# Altium PCB Main_PCB.PcbDoc (part 5 of 13)
Units mil, origin at the board's own origin, x right, y up, seen from the top; angles counter-clockwise.
Board outline 5200 x 6000 mil, 12 copper layers (Top (L1), Int1 (l2), Int2 (L3), Int3 (L4), Int4 (L5), Int5 (L6), Int6 (L7), Int7 (L8), Int8 (L9), Int9 (L10), Int10 (L11), Bot (L12)), stack 94.81 mil thick; 88 components, 424 nets, 1789 pads, 1684 vias.
Unrouted connection lines stored in the file: 914.
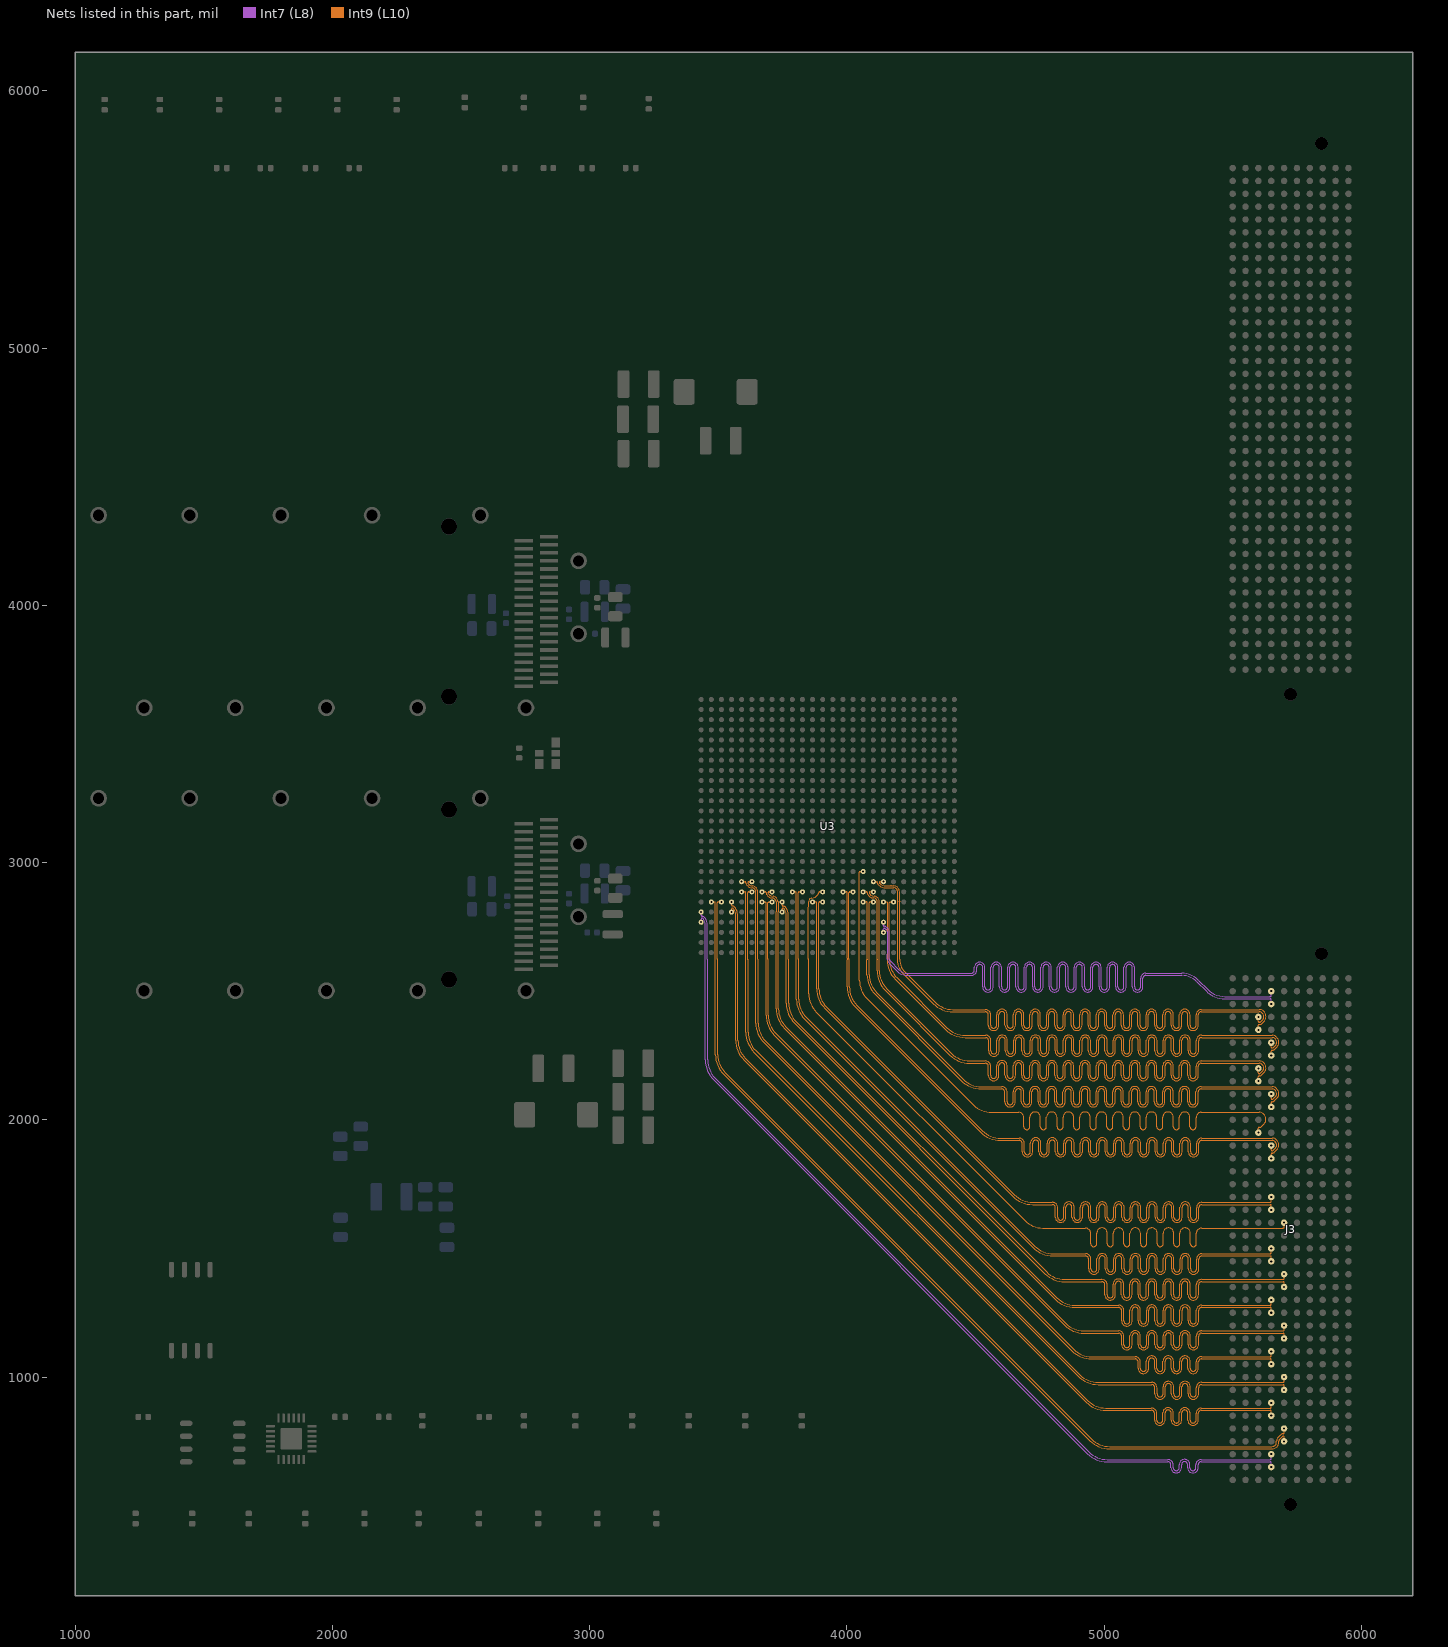
[diagram p15: the nets of this part, all layers, seen from the top]

## Via types
v1: diameter 13.78, hole 7.87, Top (L1) to Bot (L12), tented both sides, 1680 vias
v2: diameter 19.68, hole 7.87, Top (L1) to Bot (L12), tented both sides, 4 vias

## Nets (pads, with @x,y where several pads share a name; then routed paths per layer and width w, separated by ;. In a path a pad name is that pad's centre, name@x,y a point inside that pad or via, vN(x,y) a via of type N, cw(c..) or ccw(c..) an arc to the next point about the centre after c; other vN are vias at no path point) (continued)
HPCC_A_39_P: J3.F20 U3.Y13 | length 3514.4
  Int9 (L10) w3.5: 3878.92,2866.72 cw(c3873.63,2872.04) 3875.22,2864.71 3863.6,2862.18 ccw(c3866.93,2846.85) 3851.24,2847.05 3850.74,2807.19 cw(c3827.56,2807.48) 3850.72,2806.47 3850.5,2801.03 ccw(c3854,2800.88) 3850.5,2800.88 3850.5,2771.7 ccw(c3854,2771.73) 3850.53,2771.27 cw(c3827.56,2768.11) 3850.75,2768.11 3850.75,2650 cw(c3827.56,2650) 3850.74,2649.39 3850.5,2640.05 ccw(c3854,2639.96) 3850.5,2639.96 3850.5,2625 cw(c3847.36,2621.86) 3851.8,2621.86 3851.8,2489.62 ccw(c3951.8,2489.62) 3881.09,2418.91 4691.31,1608.69 ccw(c4762.02,1679.4) 4762.02,1579.4 4889,1579.4 4927.45,1579.4 cw(c4927.45,1558.85) 4948,1558.85 4948,1518.82 ccw(c4959.75,1518.82) 4971.5,1518.82 4971.5,1559.07 cw(c4992.05,1559.07) 5012.6,1559.07 5012.6,1518.82 ccw(c5024.35,1518.82) 5036.1,1518.82 5036.1,1559.07 cw(c5056.65,1559.07) 5077.2,1559.07 5077.2,1518.82 ccw(c5088.95,1518.82) 5100.7,1518.82 5100.7,1559.07 cw(c5121.25,1559.07) 5141.8,1559.07 5141.8,1518.82 ccw(c5153.55,1518.82) 5165.3,1518.82 5165.3,1559.07 cw(c5185.85,1559.07) 5206.4,1559.07 5206.4,1518.82 ccw(c5218.15,1518.82) 5229.9,1518.82 5229.9,1559.07 cw(c5250.45,1559.07) 5271,1559.07 5271,1518.82 ccw(c5282.75,1518.82) 5294.5,1518.82 5294.5,1559.07 cw(c5315.05,1559.07) 5335.6,1559.07 5335.6,1518.82 ccw(c5347.35,1518.82) 5359.1,1518.82 5359.1,1558.85 cw(c5379.65,1558.85) 5379.65,1579.4 5419,1579.4 5696.5,1579.4 ccw(c5696.5,1582.9) 5698.97,1580.43 ccw(c5696.5,1582.9) 5700,1582.9 v1(5700,1600) ; 3878.94,2866.74 3887.14,2874.94 ccw(c3879.46,2882.68) 3890.36,2882.68 cw(c3893.86,2882.72) 3891.39,2885.2 cw(c3893.86,2882.72) 3893.86,2886.22 v1(3906.3,2886.22)
HPCC_A_40_N: J3.F25 U3.AB9 | length 3520.4
  Int9 (L10) w3.5: v1(3748.82,2807.48) 3748.82,2819.92 cw(c3752.32,2819.92) 3749.84,2822.39 cw(c3752.32,2819.92) 3752.32,2823.42 cw(c3752.32,2819.92) 3754.79,2822.39 cw(c3730.15,2797.75) 3765,2797.75 3765,2452.62 ccw(c3873.8,2452.62) 3796.87,2375.69 4770.09,1402.47 ccw(c4847.02,1479.4) 4847.02,1370.6 4953,1370.6 4991.45,1370.6 cw(c4991.45,1358.85) 5003.2,1358.85 5003.2,1319.61 ccw(c5023.75,1319.61) 5044.3,1319.61 5044.3,1360.43 cw(c5056.05,1360.43) 5067.8,1360.43 5067.8,1319.61 ccw(c5088.35,1319.61) 5108.9,1319.61 5108.9,1360.43 cw(c5120.65,1360.43) 5132.4,1360.43 5132.4,1319.61 ccw(c5152.95,1319.61) 5173.5,1319.61 5173.5,1360.43 cw(c5185.25,1360.43) 5197,1360.43 5197,1319.61 ccw(c5217.55,1319.61) 5238.1,1319.61 5238.1,1360.43 cw(c5249.85,1360.43) 5261.6,1360.43 5261.6,1319.61 ccw(c5282.15,1319.61) 5302.7,1319.61 5302.7,1360.43 cw(c5314.45,1360.43) 5326.2,1360.43 5326.2,1319.61 ccw(c5346.75,1319.61) 5367.3,1319.61 5367.3,1358.85 cw(c5379.05,1358.85) 5379.05,1370.6 5402,1370.6 5696.5,1370.6 cw(c5696.5,1367.1) 5698.97,1369.57 cw(c5696.5,1367.1) 5700,1367.1 v1(5700,1350)
HPCC_A_40_P: J3.F24 U3.AA9 | length 3518.7
  Int9 (L10) w3.5: v1(3748.82,2846.85) 3748.82,2834.42 ccw(c3752.32,2834.42) 3749.84,2831.94 ccw(c3752.32,2834.42) 3752.32,2830.92 3752.37,2830.92 cw(c3752.37,2820.04) 3760.06,2827.73 3760.17,2827.62 cw(c3730.41,2797.86) 3772.5,2797.86 3772.5,2625 cw(c3769.36,2621.86) 3773.8,2621.86 3773.8,2452.62 ccw(c3873.8,2452.62) 3803.09,2381.91 4776.31,1408.69 ccw(c4847.02,1479.4) 4847.02,1379.4 4953,1379.4 4991.45,1379.4 cw(c4991.45,1358.85) 5012,1358.85 5012,1319.61 ccw(c5023.75,1319.61) 5035.5,1319.61 5035.5,1360.43 cw(c5056.05,1360.43) 5076.6,1360.43 5076.6,1319.61 ccw(c5088.35,1319.61) 5100.1,1319.61 5100.1,1360.43 cw(c5120.65,1360.43) 5141.2,1360.43 5141.2,1319.61 ccw(c5152.95,1319.61) 5164.7,1319.61 5164.7,1360.43 cw(c5185.25,1360.43) 5205.8,1360.43 5205.8,1319.61 ccw(c5217.55,1319.61) 5229.3,1319.61 5229.3,1360.43 cw(c5249.85,1360.43) 5270.4,1360.43 5270.4,1319.61 ccw(c5282.15,1319.61) 5293.9,1319.61 5293.9,1360.43 cw(c5314.45,1360.43) 5335,1360.43 5335,1319.61 ccw(c5346.75,1319.61) 5358.5,1319.61 5358.5,1358.85 cw(c5379.05,1358.85) 5379.05,1379.4 5402,1379.4 5696.5,1379.4 ccw(c5696.5,1382.9) 5698.97,1380.43 ccw(c5696.5,1382.9) 5700,1382.9 v1(5700,1400)
HPCC_A_41_N: J3.F29 U3.AA7 | length 3530.4
  Int9 (L10) w3.5: v1(3670.08,2846.85) 3682.51,2846.85 cw(c3682.51,2843.35) 3684.99,2845.83 cw(c3682.51,2843.35) 3686.01,2843.35 3686.01,2406.61 ccw(c3794.81,2406.61) 3717.88,2329.67 4845.09,1202.47 ccw(c4922.02,1279.4) 4922.02,1170.6 5018,1170.6 5056.45,1170.6 cw(c5056.45,1158.85) 5068.2,1158.85 5068.2,1126.54 ccw(c5088.75,1126.54) 5109.3,1126.54 5109.3,1159.63 cw(c5121.05,1159.63) 5132.8,1159.63 5132.8,1126.54 ccw(c5153.35,1126.54) 5173.9,1126.54 5173.9,1159.63 cw(c5185.65,1159.63) 5197.4,1159.63 5197.4,1126.54 ccw(c5217.95,1126.54) 5238.5,1126.54 5238.5,1159.63 cw(c5250.25,1159.63) 5262,1159.63 5262,1126.54 ccw(c5282.55,1126.54) 5303.1,1126.54 5303.1,1159.63 cw(c5314.85,1159.63) 5326.6,1159.63 5326.6,1126.54 ccw(c5347.15,1126.54) 5367.7,1126.54 5367.7,1158.85 cw(c5379.45,1158.85) 5379.45,1170.6 5402,1170.6 5696.5,1170.6 cw(c5696.5,1167.1) 5698.97,1169.57 cw(c5696.5,1167.1) 5700,1167.1 v1(5700,1150)
HPCC_A_41_P: J3.F28 U3.AA8 | length 3517
  Int9 (L10) w3.5: v1(3709.45,2846.85) 3697.01,2846.85 ccw(c3697.01,2843.35) 3694.54,2845.83 ccw(c3697.01,2843.35) 3693.51,2843.35 3693.51,2625 cw(c3690.38,2621.86) 3694.81,2621.86 3694.81,2406.61 ccw(c3794.81,2406.61) 3724.1,2335.9 4851.31,1208.69 ccw(c4922.02,1279.4) 4922.02,1179.4 5018,1179.4 5056.45,1179.4 cw(c5056.45,1158.85) 5077,1158.85 5077,1126.54 ccw(c5088.75,1126.54) 5100.5,1126.54 5100.5,1159.63 cw(c5121.05,1159.63) 5141.6,1159.63 5141.6,1126.54 ccw(c5153.35,1126.54) 5165.1,1126.54 5165.1,1159.63 cw(c5185.65,1159.63) 5206.2,1159.63 5206.2,1126.54 ccw(c5217.95,1126.54) 5229.7,1126.54 5229.7,1159.63 cw(c5250.25,1159.63) 5270.8,1159.63 5270.8,1126.54 ccw(c5282.55,1126.54) 5294.3,1126.54 5294.3,1159.63 cw(c5314.85,1159.63) 5335.4,1159.63 5335.4,1126.54 ccw(c5347.15,1126.54) 5358.9,1126.54 5358.9,1158.85 cw(c5379.45,1158.85) 5379.45,1179.4 5402,1179.4 5696.5,1179.4 ccw(c5696.5,1182.9) 5698.97,1180.43 ccw(c5696.5,1182.9) 5700,1182.9 v1(5700,1200)
HPCC_A_42_N: J3.F33 U3.Y5 | length 3528.2
  Int9 (L10) w3.5: v1(3591.34,2886.22) 3603.77,2886.22 cw(c3603.77,2882.72) 3606.25,2885.2 cw(c3603.77,2882.72) 3607.27,2882.72 3607.27,2340.35 ccw(c3716.07,2340.35) 3639.14,2263.41 4900.09,1002.47 ccw(c4977.02,1079.4) 4977.02,970.6 5147,970.6 5185.45,970.6 cw(c5185.45,958.85) 5197.2,958.85 5197.2,934.53 ccw(c5217.75,934.53) 5238.3,934.53 5238.3,962.64 cw(c5250.05,962.64) 5261.8,962.64 5261.8,934.53 ccw(c5282.35,934.53) 5302.9,934.53 5302.9,962.64 cw(c5314.65,962.64) 5326.4,962.64 5326.4,934.53 ccw(c5346.95,934.53) 5367.5,934.53 5367.5,958.85 cw(c5379.25,958.85) 5379.25,970.6 5453,970.6 5696.5,970.6 cw(c5696.5,967.1) 5698.97,969.57 cw(c5696.5,967.1) 5700,967.1 v1(5700,950)
HPCC_A_42_P: J3.F32 U3.Y6 | length 3514.7
  Int9 (L10) w3.5: v1(3630.71,2886.22) 3618.27,2886.22 ccw(c3618.27,2882.72) 3615.8,2885.2 ccw(c3618.27,2882.72) 3614.77,2882.72 3614.77,2625 cw(c3611.64,2621.86) 3616.07,2621.86 3616.07,2340.35 ccw(c3716.07,2340.35) 3645.36,2269.64 4906.31,1008.69 ccw(c4977.02,1079.4) 4977.02,979.4 5147,979.4 5185.45,979.4 cw(c5185.45,958.85) 5206,958.85 5206,934.53 ccw(c5217.75,934.53) 5229.5,934.53 5229.5,962.64 cw(c5250.05,962.64) 5270.6,962.64 5270.6,934.53 ccw(c5282.35,934.53) 5294.1,934.53 5294.1,962.64 cw(c5314.65,962.64) 5335.2,962.64 5335.2,934.53 ccw(c5346.95,934.53) 5358.7,934.53 5358.7,958.85 cw(c5379.25,958.85) 5379.25,979.4 5453,979.4 5696.5,979.4 ccw(c5696.5,982.9) 5698.97,980.43 ccw(c5696.5,982.9) 5700,982.9 v1(5700,1000)
HPCC_A_43_N: J3.F37 U3.AA2 | length 3518.3
  Int9 (L10) w3.5: v1(3473.23,2846.85) 3485.66,2846.85 cw(c3485.66,2843.35) 3488.14,2845.83 cw(c3485.66,2843.35) 3489.16,2843.35 3489.16,2625 3489.16,2253.46 ccw(c3597.96,2253.46) 3521.03,2176.52 4944.49,753.07 ccw(c5021.42,830) 5021.42,721.2 5652.51,721.2 ccw(c5652.51,750.49) 5673.22,729.78 ccw(c5659.27,743.73) 5679,743.73 5679,750 cw(c5689.98,750) 5682.22,757.77 5694.03,769.57 cw(c5696.5,767.1) 5696.5,770.6 cw(c5696.5,767.1) 5698.97,769.57 cw(c5696.5,767.1) 5700,767.1 v1(5700,750)
HPCC_A_43_P: J3.F36 U3.AA3 | length 3504.9
  Int9 (L10) w3.5: v1(3512.6,2846.85) 3500.16,2846.85 ccw(c3500.16,2843.35) 3497.69,2845.83 ccw(c3500.16,2843.35) 3496.66,2843.35 3496.66,2625 cw(c3493.53,2621.86) 3497.96,2621.86 3497.96,2253.46 ccw(c3597.96,2253.46) 3527.25,2182.75 4950.71,759.29 ccw(c5021.42,830) 5021.42,730 5652.51,730 ccw(c5652.51,750.49) 5667,736 ccw(c5659.27,743.73) 5670.2,743.73 5670.2,750 cw(c5689.98,750) 5675.99,763.99 5687.8,775.8 cw(c5696.5,767.1) 5696.5,779.4 ccw(c5696.5,782.9) 5698.97,780.43 ccw(c5696.5,782.9) 5700,782.9 v1(5700,800)
HPCC_A_44_N: J3.G3 U3.AD19 | length 3577.6
  Int7 (L8) w3.5: v1(4142.52,2728.74) 4142.52,2741.18 cw(c4146.02,2741.18) 4148.03,2744.04 4151.54,2741.58 cw(c4142.52,2728.74) 4158.21,2728.56 4158.2,2728.44 ccw(c4169.2,2728.35) 4158.2,2728.35 4158.2,2689.74 ccw(c4169.2,2689.74) 4158.21,2689.55 cw(c4142.52,2689.37) 4158.21,2689.37 4158.21,2650 cw(c4142.52,2650) 4158.19,2649.18 4157.82,2640.96 4157.82,2640.43 ; 4157.82,2640.41 4157.82,2625 ccw(c4180.19,2625) 4164.37,2609.18 4196.34,2577.21 ccw(c4235,2615.87) 4235,2561.2 4478,2561.2 4484.15,2561.2 ccw(c4484.15,2581.75) 4504.7,2581.75 4504.7,2592.39 cw(c4516.45,2592.39) 4528.2,2592.39 4528.2,2516.87 ccw(c4548.75,2516.87) 4569.3,2516.87 4569.3,2592.39 cw(c4581.05,2592.39) 4592.8,2592.39 4592.8,2516.87 ccw(c4613.35,2516.87) 4633.9,2516.87 4633.9,2592.39 cw(c4645.65,2592.39) 4657.4,2592.39 4657.4,2516.87 ccw(c4677.95,2516.87) 4698.5,2516.87 4698.5,2592.39 cw(c4710.25,2592.39) 4722,2592.39 4722,2516.87 ccw(c4742.55,2516.87) 4763.1,2516.87 4763.1,2592.39 cw(c4774.85,2592.39) 4786.6,2592.39 4786.6,2516.87 ccw(c4807.15,2516.87) 4827.7,2516.87 4827.7,2592.39 cw(c4839.45,2592.39) 4851.2,2592.39 4851.2,2516.87 ccw(c4871.75,2516.87) 4892.3,2516.87 4892.3,2592.39 cw(c4904.05,2592.39) 4915.8,2592.39 4915.8,2516.87 ccw(c4936.35,2516.87) 4956.9,2516.87 4956.9,2592.39 cw(c4968.65,2592.39) 4980.4,2592.39 4980.4,2516.87 ccw(c5000.95,2516.87) 5021.5,2516.87 5021.5,2592.39 cw(c5033.25,2592.39) 5045,2592.39 5045,2516.87 ccw(c5065.55,2516.87) 5086.1,2516.87 5086.1,2592.39 cw(c5097.85,2592.39) 5109.6,2592.39 5109.6,2516.87 ccw(c5130.15,2516.87) 5150.7,2516.87 5150.7,2549.45 cw(c5162.45,2549.45) 5162.45,2561.2 5188,2561.2 5301.75,2561.2 cw(c5301.75,2477.65) 5360.83,2536.73 5396.52,2501.04 ccw(c5470,2574.52) 5470,2470.6 5646.5,2470.6 cw(c5646.5,2467.1) 5648.97,2469.57 cw(c5646.5,2467.1) 5650,2467.1 v1(5650,2450)
HPCC_A_44_P: J3.G2 U3.AC19 | length 3576.2
  Int7 (L8) w3.5: v1(4142.52,2768.11) 4142.52,2755.68 ccw(c4146.02,2755.68) 4146.02,2752.18 cw(c4146.02,2741.18) 4152.34,2750.18 4155.85,2747.71 cw(c4142.52,2728.74) 4165.71,2728.54 4165.7,2728.38 ; 4165.7,2728.35 4165.7,2689.74 ccw(c4169.2,2689.74) 4165.7,2689.67 cw(c4142.52,2689.37) 4165.71,2689.37 4165.71,2650 cw(c4142.52,2650) 4165.68,2648.82 4165.32,2640.64 4165.32,2637.86 4165.32,2625 cw(c4162.18,2621.86) 4166.62,2621.86 ccw(c4172.61,2621.86) 4168.38,2617.62 4202.56,2583.43 ccw(c4235,2615.87) 4235,2570 4478,2570 4484.15,2570 ccw(c4484.15,2581.75) 4495.9,2581.75 4495.9,2592.39 cw(c4516.45,2592.39) 4537,2592.39 4537,2516.87 ccw(c4548.75,2516.87) 4560.5,2516.87 4560.5,2592.39 cw(c4581.05,2592.39) 4601.6,2592.39 4601.6,2516.87 ccw(c4613.35,2516.87) 4625.1,2516.87 4625.1,2592.39 cw(c4645.65,2592.39) 4666.2,2592.39 4666.2,2516.87 ccw(c4677.95,2516.87) 4689.7,2516.87 4689.7,2592.39 cw(c4710.25,2592.39) 4730.8,2592.39 4730.8,2516.87 ccw(c4742.55,2516.87) 4754.3,2516.87 4754.3,2592.39 cw(c4774.85,2592.39) 4795.4,2592.39 4795.4,2516.87 ccw(c4807.15,2516.87) 4818.9,2516.87 4818.9,2592.39 cw(c4839.45,2592.39) 4860,2592.39 4860,2516.87 ccw(c4871.75,2516.87) 4883.5,2516.87 4883.5,2592.39 cw(c4904.05,2592.39) 4924.6,2592.39 4924.6,2516.87 ccw(c4936.35,2516.87) 4948.1,2516.87 4948.1,2592.39 cw(c4968.65,2592.39) 4989.2,2592.39 4989.2,2516.87 ccw(c5000.95,2516.87) 5012.7,2516.87 5012.7,2592.39 cw(c5033.25,2592.39) 5053.8,2592.39 5053.8,2516.87 ccw(c5065.55,2516.87) 5077.3,2516.87 5077.3,2592.39 cw(c5097.85,2592.39) 5118.4,2592.39 5118.4,2516.87 ccw(c5130.15,2516.87) 5141.9,2516.87 5141.9,2549.45 cw(c5162.45,2549.45) 5162.45,2570 5188,2570 5301.75,2570 cw(c5301.75,2477.65) 5367.05,2542.95 5402.74,2507.26 ccw(c5470,2574.52) 5470,2479.4 5646.5,2479.4 ccw(c5646.5,2482.9) 5648.97,2480.43 ccw(c5646.5,2482.9) 5650,2482.9 v1(5650,2500)
HPCC_A_45_N: J3.G7 U3.AA20 | length 3517.3
  Int9 (L10) w3.5: v1(4181.89,2846.85) 4169.45,2846.85 ccw(c4169.45,2843.35) 4166.98,2845.83 ccw(c4169.46,2843.35) 4165.95,2843.35 4165.95,2622.47 ccw(c4265.95,2622.47) 4195.24,2551.76 4388.91,2358.09 ccw(c4459.62,2428.8) 4459.62,2328.8 4501,2328.8 4539.45,2328.8 cw(c4539.45,2308.25) 4560,2308.25 4560,2267.87 ccw(c4571.75,2267.87) 4583.5,2267.87 4583.5,2308.93 cw(c4604.05,2308.93) 4624.6,2308.93 4624.6,2267.87 ccw(c4636.35,2267.87) 4648.1,2267.87 4648.1,2308.93 cw(c4668.65,2308.93) 4689.2,2308.93 4689.2,2267.87 ccw(c4700.95,2267.87) 4712.7,2267.87 4712.7,2308.93 cw(c4733.25,2308.93) 4753.8,2308.93 4753.8,2267.87 ccw(c4765.55,2267.87) 4777.3,2267.87 4777.3,2308.93 cw(c4797.85,2308.93) 4818.4,2308.93 4818.4,2267.87 ccw(c4830.15,2267.87) 4841.9,2267.87 4841.9,2308.93 cw(c4862.45,2308.93) 4883,2308.93 4883,2267.87 ccw(c4894.75,2267.87) 4906.5,2267.87 4906.5,2308.93 cw(c4927.05,2308.93) 4947.6,2308.93 4947.6,2267.87 ccw(c4959.35,2267.87) 4971.1,2267.87 4971.1,2308.93 cw(c4991.65,2308.93) 5012.2,2308.93 5012.2,2267.87 ccw(c5023.95,2267.87) 5035.7,2267.87 5035.7,2308.93 cw(c5056.25,2308.93) 5076.8,2308.93 5076.8,2267.87 ccw(c5088.55,2267.87) 5100.3,2267.87 5100.3,2308.93 cw(c5120.85,2308.93) 5141.4,2308.93 5141.4,2267.87 ccw(c5153.15,2267.87) 5164.9,2267.87 5164.9,2308.93 cw(c5185.45,2308.93) 5206,2308.93 5206,2267.87 ccw(c5217.75,2267.87) 5229.5,2267.87 5229.5,2308.93 cw(c5250.05,2308.93) 5270.6,2308.93 5270.6,2267.87 ccw(c5282.35,2267.87) 5294.1,2267.87 5294.1,2308.93 cw(c5314.65,2308.93) 5335.2,2308.93 5335.2,2267.87 ccw(c5346.95,2267.87) 5358.7,2267.87 5358.7,2308.25 cw(c5379.25,2308.25) 5379.25,2328.8 5426,2328.8 5652.93,2328.8 cw(c5652.93,2302.93) 5671.22,2321.22 cw(c5650.51,2300.51) 5679.8,2300.51 5679.8,2300 cw(c5658.07,2300) 5673.44,2284.64 5663.56,2274.76 cw(c5653.5,2284.84) 5653.5,2270.6 ccw(c5653.5,2267.1) 5651.03,2269.57 ccw(c5653.5,2267.1) 5650,2267.1 v1(5650,2250)
HPCC_A_45_P: J3.G6 U3.AA19 | length 3503.9
  Int9 (L10) w3.5: v1(4142.52,2846.85) 4154.95,2846.85 cw(c4154.95,2843.35) 4157.43,2845.83 cw(c4154.95,2843.35) 4158.45,2843.35 4158.45,2625 ccw(c4161.59,2621.86) 4157.15,2621.86 ccw(c4264.49,2621.86) 4188.59,2545.96 4382.69,2351.87 ccw(c4459.62,2428.8) 4459.62,2320 4501,2320 4539.45,2320 cw(c4539.45,2308.25) 4551.2,2308.25 4551.2,2267.87 ccw(c4571.75,2267.87) 4592.3,2267.87 4592.3,2308.93 cw(c4604.05,2308.93) 4615.8,2308.93 4615.8,2267.87 ccw(c4636.35,2267.87) 4656.9,2267.87 4656.9,2308.93 cw(c4668.65,2308.93) 4680.4,2308.93 4680.4,2267.87 ccw(c4700.95,2267.87) 4721.5,2267.87 4721.5,2308.93 cw(c4733.25,2308.93) 4745,2308.93 4745,2267.87 ccw(c4765.55,2267.87) 4786.1,2267.87 4786.1,2308.93 cw(c4797.85,2308.93) 4809.6,2308.93 4809.6,2267.87 ccw(c4830.15,2267.87) 4850.7,2267.87 4850.7,2308.93 cw(c4862.45,2308.93) 4874.2,2308.93 4874.2,2267.87 ccw(c4894.75,2267.87) 4915.3,2267.87 4915.3,2308.93 cw(c4927.05,2308.93) 4938.8,2308.93 4938.8,2267.87 ccw(c4959.35,2267.87) 4979.9,2267.87 4979.9,2308.93 cw(c4991.65,2308.93) 5003.4,2308.93 5003.4,2267.87 ccw(c5023.95,2267.87) 5044.5,2267.87 5044.5,2308.93 cw(c5056.25,2308.93) 5068,2308.93 5068,2267.87 ccw(c5088.55,2267.87) 5109.1,2267.87 5109.1,2308.93 cw(c5120.85,2308.93) 5132.6,2308.93 5132.6,2267.87 ccw(c5153.15,2267.87) 5173.7,2267.87 5173.7,2308.93 cw(c5185.45,2308.93) 5197.2,2308.93 5197.2,2267.87 ccw(c5217.75,2267.87) 5238.3,2267.87 5238.3,2308.93 cw(c5250.05,2308.93) 5261.8,2308.93 5261.8,2267.87 ccw(c5282.35,2267.87) 5302.9,2267.87 5302.9,2308.93 cw(c5314.65,2308.93) 5326.4,2308.93 5326.4,2267.87 ccw(c5346.95,2267.87) 5367.5,2267.87 5367.5,2308.25 cw(c5379.25,2308.25) 5379.25,2320 5426,2320 5652.93,2320 cw(c5652.93,2302.93) 5665,2315 cw(c5650.51,2300.51) 5671,2300.51 5671,2300 cw(c5658.07,2300) 5667.21,2290.86 5657.34,2280.99 cw(c5653.5,2284.84) 5653.5,2279.4 cw(c5653.5,2282.9) 5651.03,2280.43 cw(c5653.5,2282.9) 5650,2282.9 v1(5650,2300)
HPCC_A_46_N: J3.G11 U3.AA18 | length 3526.5
  Int9 (L10) w3.5: v1(4103.15,2846.85) 4090.71,2846.85 ccw(c4090.71,2843.35) 4088.24,2845.83 ccw(c4090.71,2843.35) 4087.21,2843.35 4087.21,2563.9 ccw(c4186.48,2563.9) 4116.29,2493.71 4451.91,2158.09 ccw(c4522.62,2228.8) 4522.62,2128.8 4564,2128.8 4602.45,2128.8 cw(c4602.45,2108.25) 4623,2108.25 4623,2070.54 ccw(c4634.75,2070.54) 4646.5,2070.54 4646.5,2108.78 cw(c4667.05,2108.78) 4687.6,2108.78 4687.6,2070.54 ccw(c4699.35,2070.54) 4711.1,2070.54 4711.1,2108.78 cw(c4731.65,2108.78) 4752.2,2108.78 4752.2,2070.54 ccw(c4763.95,2070.54) 4775.7,2070.54 4775.7,2108.78 cw(c4796.25,2108.78) 4816.8,2108.78 4816.8,2070.54 ccw(c4828.55,2070.54) 4840.3,2070.54 4840.3,2108.78 cw(c4860.85,2108.78) 4881.4,2108.78 4881.4,2070.54 ccw(c4893.15,2070.54) 4904.9,2070.54 4904.9,2108.78 cw(c4925.45,2108.78) 4946,2108.78 4946,2070.54 ccw(c4957.75,2070.54) 4969.5,2070.54 4969.5,2108.78 cw(c4990.05,2108.78) 5010.6,2108.78 5010.6,2070.54 ccw(c5022.35,2070.54) 5034.1,2070.54 5034.1,2108.78 cw(c5054.65,2108.78) 5075.2,2108.78 5075.2,2070.54 ccw(c5086.95,2070.54) 5098.7,2070.54 5098.7,2108.78 cw(c5119.25,2108.78) 5139.8,2108.78 5139.8,2070.54 ccw(c5151.55,2070.54) 5163.3,2070.54 5163.3,2108.78 cw(c5183.85,2108.78) 5204.4,2108.78 5204.4,2070.54 ccw(c5216.15,2070.54) 5227.9,2070.54 5227.9,2108.78 cw(c5248.45,2108.78) 5269,2108.78 5269,2070.54 ccw(c5280.75,2070.54) 5292.5,2070.54 5292.5,2108.78 cw(c5313.05,2108.78) 5333.6,2108.78 5333.6,2070.54 ccw(c5345.35,2070.54) 5357.1,2070.54 5357.1,2108.25 cw(c5377.65,2108.25) 5377.65,2128.8 5410,2128.8 5652.93,2128.8 cw(c5652.93,2102.93) 5671.22,2121.22 cw(c5650.03,2100.03) 5680,2100.03 5680,2099 cw(c5663.11,2099) 5675.06,2087.06 5662.2,2074.2 cw(c5653.5,2082.9) 5653.5,2070.6 ccw(c5653.5,2067.1) 5651.03,2069.57 ccw(c5653.5,2067.1) 5650,2067.1 v1(5650,2050)
HPCC_A_46_P: J3.G10 U3.AA17 | length 3513.1
  Int9 (L10) w3.5: v1(4063.78,2846.85) 4076.21,2846.85 cw(c4076.21,2843.35) 4078.69,2845.83 cw(c4076.21,2843.35) 4079.71,2843.35 4079.71,2625 ccw(c4082.85,2621.86) 4078.41,2621.86 4078.41,2563.9 ccw(c4186.48,2563.9) 4110.07,2487.49 4445.69,2151.87 ccw(c4522.62,2228.8) 4522.62,2120 4564,2120 4602.45,2120 cw(c4602.45,2108.25) 4614.2,2108.25 4614.2,2070.54 ccw(c4634.75,2070.54) 4655.3,2070.54 4655.3,2108.78 cw(c4667.05,2108.78) 4678.8,2108.78 4678.8,2070.54 ccw(c4699.35,2070.54) 4719.9,2070.54 4719.9,2108.78 cw(c4731.65,2108.78) 4743.4,2108.78 4743.4,2070.54 ccw(c4763.95,2070.54) 4784.5,2070.54 4784.5,2108.78 cw(c4796.25,2108.78) 4808,2108.78 4808,2070.54 ccw(c4828.55,2070.54) 4849.1,2070.54 4849.1,2108.78 cw(c4860.85,2108.78) 4872.6,2108.78 4872.6,2070.54 ccw(c4893.15,2070.54) 4913.7,2070.54 4913.7,2108.78 cw(c4925.45,2108.78) 4937.2,2108.78 4937.2,2070.54 ccw(c4957.75,2070.54) 4978.3,2070.54 4978.3,2108.78 cw(c4990.05,2108.78) 5001.8,2108.78 5001.8,2070.54 ccw(c5022.35,2070.54) 5042.9,2070.54 5042.9,2108.78 cw(c5054.65,2108.78) 5066.4,2108.78 5066.4,2070.54 ccw(c5086.95,2070.54) 5107.5,2070.54 5107.5,2108.78 cw(c5119.25,2108.78) 5131,2108.78 5131,2070.54 ccw(c5151.55,2070.54) 5172.1,2070.54 5172.1,2108.78 cw(c5183.85,2108.78) 5195.6,2108.78 5195.6,2070.54 ccw(c5216.15,2070.54) 5236.7,2070.54 5236.7,2108.78 cw(c5248.45,2108.78) 5260.2,2108.78 5260.2,2070.54 ccw(c5280.75,2070.54) 5301.3,2070.54 5301.3,2108.78 cw(c5313.05,2108.78) 5324.8,2108.78 5324.8,2070.54 ccw(c5345.35,2070.54) 5365.9,2070.54 5365.9,2108.25 cw(c5377.65,2108.25) 5377.65,2120 5410,2120 5652.93,2120 cw(c5652.93,2102.93) 5665,2115 cw(c5650.03,2100.03) 5671.2,2100.03 5671.2,2099 cw(c5663.11,2099) 5668.84,2093.29 5655.97,2080.43 ; v1(5650,2100) 5650,2082.9 ccw(c5653.5,2082.9) 5651.03,2080.43 ccw(c5653.5,2082.9) 5653.5,2079.4 ccw(c5653.5,2082.9) 5655.97,2080.42
HPCC_A_47_N: J3.G15 U3.Y16 | length 3530
  Int9 (L10) w3.5: v1(4024.41,2886.22) 4011.97,2886.22 ccw(c4011.97,2882.72) 4009.5,2885.2 ccw(c4011.97,2882.72) 4008.47,2882.72 4008.47,2625 cw(c4004.79,2621.32) 4010,2621.32 4010,2516.42 ccw(c4110,2516.42) 4039.29,2445.71 4526.91,1958.09 ccw(c4597.62,2028.8) 4597.62,1928.8 4631.28,1928.8 4669.73,1928.8 cw(c4669.73,1908.25) 4690.28,1908.25 4690.28,1876.47 ccw(c4702.03,1876.47) 4713.78,1876.47 4713.78,1909.75 cw(c4734.33,1909.75) 4754.88,1909.75 4754.88,1876.47 ccw(c4766.63,1876.47) 4778.38,1876.47 4778.38,1909.75 cw(c4798.93,1909.75) 4819.48,1909.75 4819.48,1876.47 ccw(c4831.23,1876.47) 4842.98,1876.47 4842.98,1909.75 cw(c4863.53,1909.75) 4884.08,1909.75 4884.08,1876.47 ccw(c4895.83,1876.47) 4907.58,1876.47 4907.58,1909.75 cw(c4928.13,1909.75) 4948.68,1909.75 4948.68,1876.47 ccw(c4960.43,1876.47) 4972.18,1876.47 4972.18,1909.75 cw(c4992.73,1909.75) 5013.28,1909.75 5013.28,1876.47 ccw(c5025.03,1876.47) 5036.78,1876.47 5036.78,1909.75 cw(c5057.33,1909.75) 5077.88,1909.75 5077.88,1876.47 ccw(c5089.63,1876.47) 5101.38,1876.47 5101.38,1909.75 cw(c5121.93,1909.75) 5142.48,1909.75 5142.48,1876.47 ccw(c5154.23,1876.47) 5165.98,1876.47 5165.98,1909.75 cw(c5186.53,1909.75) 5207.08,1909.75 5207.08,1876.47 ccw(c5218.83,1876.47) 5230.58,1876.47 5230.58,1909.75 cw(c5251.13,1909.75) 5271.68,1909.75 5271.68,1876.47 ccw(c5283.43,1876.47) 5295.18,1876.47 5295.18,1909.75 cw(c5315.73,1909.75) 5336.28,1909.75 5336.28,1876.47 ccw(c5348.03,1876.47) 5359.78,1876.47 5359.78,1908.25 cw(c5380.33,1908.25) 5380.33,1928.8 5410,1928.8 5652.93,1928.8 cw(c5652.93,1902.93) 5671.22,1921.23 ; v1(5650,1850) 5650,1867.1 cw(c5653.5,1867.1) 5651.03,1869.57 cw(c5653.5,1867.1) 5653.5,1870.6 ccw(c5653.5,1882.9) 5662.2,1874.2 5672.93,1884.94 ccw(c5655.87,1902) 5680,1902 ccw(c5654.78,1902) 5672.61,1919.83 5671.22,1921.22